# Altium PCB psu.PcbDoc (part 2 of 2)
Units mm, origin at the board's own origin, x right, y up, seen from the top; angles counter-clockwise.
Board outline 95.25 x 58.25 mm, 4 copper layers (Top Layer, Ground, +3.3V, Bottom Layer), stack 1.571 mm thick; 190 components, 100 nets, 584 pads, 624 vias.
Unrouted connection lines stored in the file: 1.
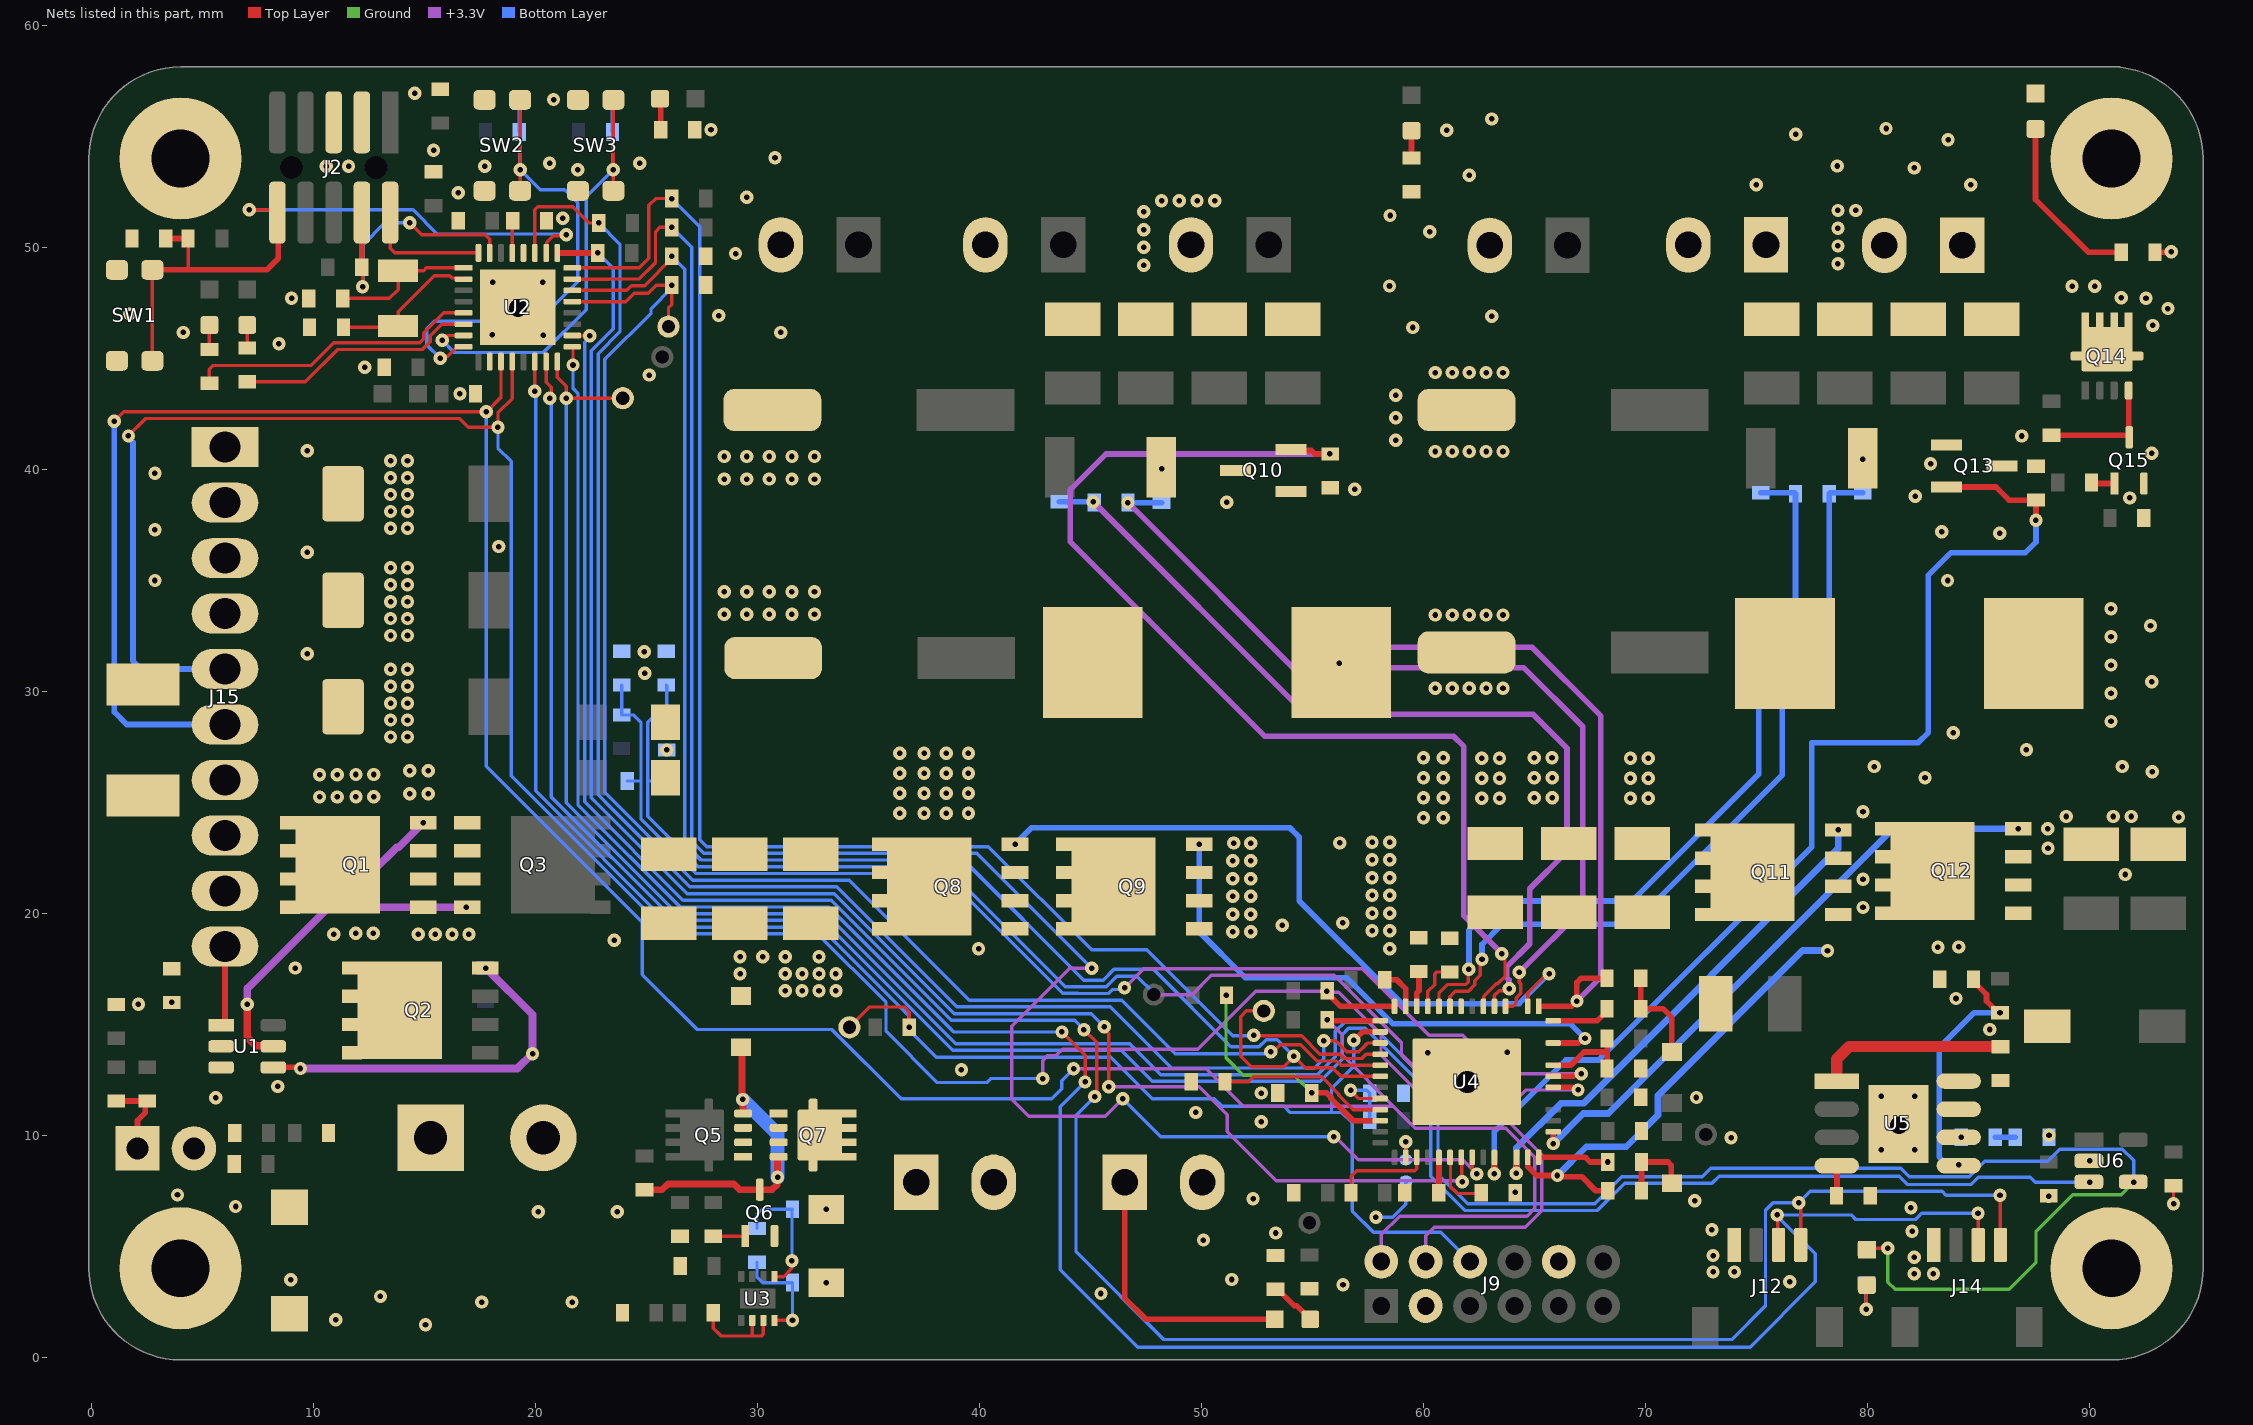
[diagram p4: the nets of this part, all layers, seen from the top]

## Via types
v1: diameter 0.6, hole 0.25, Top Layer to Bottom Layer, tented both sides, 614 vias
v2: diameter 0.6, hole 0.25, Top Layer to Bottom Layer, 7 vias
v3: diameter 1.5, hole 0.8, Top Layer to Bottom Layer, tented both sides, 1 vias
v4: diameter 1.6, hole 1, Top Layer to Bottom Layer, tented both sides, 1 vias
v5: diameter 1.2, hole 0.8, Top Layer to Bottom Layer, tented both sides, 1 vias

## Nets (pads, with @x,y where several pads share a name; then routed paths per layer and width w, separated by ;. In a path a pad name is that pad's centre, name@x,y a point inside that pad or via, vN(x,y) a via of type N, cw(c..) or ccw(c..) an arc to the next point about the centre after c; other vN are vias at no path point) (continued)
GND: C1.1 C2.1 C3.1 C4.1 C5.1 C6.1 C7.1 C8.2 C9.2 C10.2 C11.1 C12.1 C13.1 C14.1 C15.1 C16.1 C18.1 C19.2 C20.1 C21.2 C22.1 C23.1 C24.2 C25.2 C26.1 C27.2 C28.2 C29.2 C30.2 C31.2 C32.2 C33.2 C34.2 C35.2 C36.2 C37.2 C38.2 C39.1 C40.2 C41.1 C42.2 C43.2 C46.2 C47.1 C48.2 C49.2 C50.2 C51.2 C52.2 C54.2 C55.1 C56.2 C57.2 C58.1 C59.1 C62.1 C63.1 D3.2 D5.1 J1.2 J2.3 J2.5 J3.2 J4.2 J5.2 J6.2 J7.2 J8.2 J9.3 J9.10 J10.2 J11.2 J12.1 J13.2 J14.1 J15.1 J15.2 J15.3 J15.4 Q6.2 Q9.1 Q9.2 Q9.3 Q10.1 Q10.3 Q12.1 Q12.2 Q12.3 Q13.1 Q13.3 Q15.2 R5.1 R15.1 R17.1 R18.1 R21.1 R27.1 R31.1 R33.1 R39.1 R44.1 R45.1 R49.1 R50.1 R61.2 R64.1 S1.1 S2.1 S3.1 S4.1 SB1.2 SW1.1 SW2.1 SW3.1 U1.2 U1.3 U2.10 U2.28 U2.33 U4.8 U4.53 U5.7 U5.9 U6.2 | length 8.8
  Top Layer w0.152: C16.1@20.487,51.2 C16.1@20.597,51.309 ; v1(64.135,7.433) 64.135,7.402 C40.2@64.137,7.4 ; v1(88.18,7.25) C55.1@88.18,7.263 ; v1(93.8,6.9) C58.1@93.8,7.713
  Top Layer w0.254: C3.1@1.756,50.344 C3.1@1.813,50.4 ; v1@2.087,15.887 v1(2.1,15.9) ; C5.1@6.413,8.7 C5.1@6.425,8.713 ; R5.1@6.425,10.087 R5.1@6.438,10.1 ; C6.1@9.776,47.7 C6.1@9.794,47.682 ; C7.1@9.794,46.418 C7.1@9.813,46.4 ; C14.1@17.179,43.409 C14.1@17.187,43.4 ; R15.1@27.162,55.2 R15.1@27.162,55.3 ; C24.2@29.42,42.672 C24.2@30.67,42.672 ; R33.1@53.432,11.894 R33.1@53.438,11.9 ; v1@56.837,39.163 v1(56.9,39.1) ; J11.2@71.938,50.114 J11.2@71.938,50.364 ; U5.9@81.4,10.5 U5.9@82.066,11.166 ; S3.1@90.932,54.102 S3.1@91.877,53.157 ; R49.1@92.429,37.767 R49.1@92.461,37.799 ; R50.1@92.964,49.884 R50.1@92.964,49.784 93.584,49.784 93.6,49.8 v1(93.7,49.8)
  Bottom Layer w0.152: C62.1@21.852,56.66 C62.1@21.913,56.6 ; v1(57.861,6.299) 58.623,6.299 59.207,6.883 SB1.2@59.207,7.925
  other v1: 15.036,1.461 10.998,1.676 17.576,2.477 21.64,2.477 13.004,2.731 45.468,2.864 56.377,3.261 76.507,3.397 8.966,3.48 51.358,3.493 82.118,3.759 82.982,3.759 73.05,3.835 74.016,3.835 82.118,4.496 73.05,4.572 50.088,5.271 53.34,5.588 82.017,5.673 73,5.74 20.116,6.541 23.672,6.541 81.968,6.724 6.477,6.782 72.227,7.046 52.325,7.125 3.86,7.303 90.018,8.839 80.63,9.34 82.13,9.34 73.863,9.881 88.187,9.987 52.7,10.6 49.738,11.02 5.588,11.684 72.303,11.694 80.63,11.74 82.13,11.74 52.7,11.894 8.382,12.192 39.183,12.943 60.198,13.716 63.768,13.726 85.522,14.757 3.607,15.977 83.998,16.154 31.242,16.51 32.004,16.51 32.766,16.51 33.528,16.51 29.21,17.272 31.242,17.272 32.004,17.272 32.766,17.272 33.528,17.272 29.21,18.034 30.226,18.034 31.242,18.034 32.766,18.034 39.954,18.39 58.486,18.401 23.536,18.785 51.414,19.156 52.214,19.156 57.686,19.201 58.486,19.201 53.645,19.456 56.363,19.558 51.414,19.956 52.214,19.956 57.686,20.001 58.486,20.001 51.414,20.756 52.214,20.756 57.686,20.801 58.486,20.801 51.414,21.556 52.214,21.556 57.686,21.601 58.486,21.601 91.618,21.742 51.414,22.356 52.214,22.356 57.686,22.401 58.486,22.401 88.142,22.921 51.448,23.158 52.214,23.156 56.236,23.165 57.686,23.201 58.486,23.201 88.134,23.797 94.026,24.33 88.972,24.356 91.08,24.356 91.893,24.356 13.462,27.94 14.224,27.94 13.462,28.702 14.224,28.702 13.462,29.464 14.224,29.464 60.538,30.134 61.3,30.134 62.062,30.134 62.824,30.134 63.586,30.134 13.462,30.226 14.224,30.226 24.917,30.81 13.462,30.988 14.224,30.988 9.702,31.687 24.892,31.775 13.462,32.512 14.224,32.512 13.462,33.274 14.224,33.274 60.538,33.436 61.3,33.436 62.062,33.436 62.824,33.436 63.586,33.436 28.498,33.465 29.514,33.465 30.53,33.465 31.546,33.465 32.562,33.465 13.462,34.036 14.224,34.036 28.498,34.481 29.514,34.481 30.53,34.481 31.546,34.481 32.562,34.481 13.462,34.798 14.224,34.798 2.844,34.989 13.462,35.56 14.224,35.56 9.702,36.259 18.341,36.519 85.975,37.123 83.358,37.183 2.844,37.275 13.462,37.338 14.224,37.338 13.462,38.1 14.224,38.1 51.14,38.516 91.821,38.71 82.165,38.783 13.462,38.862 14.224,38.862 28.498,39.561 29.514,39.561 30.53,39.561 31.546,39.561 32.562,39.561 13.462,39.624 14.224,39.624 2.844,39.815 82.85,40.256 13.462,40.386 14.224,40.386 28.498,40.577 29.514,40.577 30.53,40.577 31.546,40.577 32.562,40.577 92.812,40.716 60.538,40.802 61.3,40.802 62.062,40.802 62.824,40.802 63.586,40.802 9.702,40.831 58.76,41.31 86.965,41.501 58.76,42.326 58.76,43.342 16.586,43.409 25.121,44.247 60.538,44.358 61.3,44.358 62.062,44.358 62.824,44.358 63.586,44.358 12.3,44.6 8.432,45.657 20.348,46.044 18.036,46.069 4.114,46.165 31.038,46.165 59.522,46.39 63.078,46.898 28.244,46.927 1.7,47 9,47.7 58.471,48.26 18.062,48.431 20.322,48.431 47.4,49.2 78.678,49.263 29.006,49.721 47.4,50 78.678,50.063 60.284,50.708 47.4,50.8 78.678,50.863 21.227,51.309 58.496,51.435 47.4,51.6 78.678,51.663 79.478,51.663 48.2,52.1 49,52.1 49.8,52.1 50.6,52.1 29.514,52.261 16.506,52.46 62.062,53.248 21.9,53.5 10.568,53.651 11.568,53.651 17.706,53.66 20.624,53.785 24.688,53.785 30.784,54.039 15.4,54.382 27.9,55.3 61.046,55.28 63.078,55.788 20.806,56.66 14.554,56.947
  other v3: 19.202,47.269
  other v4: 61.976,12.395
  other v5: 81.43,10.44
I2C_PW_EN: D11.1 TP8.1 U2.16 U6.4 | length 124.6
  Top Layer w0.15: v1(21.379,43.2) 21.382,43.203 23.924,43.203 TP8.1@23.927,43.205 ; D11.1@79.985,4.839 80.048,4.902 v2(80.924,4.902)
  Top Layer w0.152: U2.16@20.978,44.851 20.978,44.144 21.379,43.743 v1(21.379,43.2)
  Ground w0.15: v2(80.924,4.902) 80.924,3.378 81.255,3.048 86.385,3.048 87.605,4.267 87.605,5.664 89.256,7.315 91.44,7.315 v1(91.999,7.874)
  Bottom Layer w0.152: v1(21.379,43.2) 21.379,24.983 26.387,19.976 33.07,19.976 38.925,14.121 46.763,14.121 48.161,12.723 54.613,12.723 54.619,12.729 55.227,12.729 56.035,13.536 56.035,14.675 56.468,15.108 57.51,15.108 60.655,11.963 60.655,8.244 61.993,6.906 67.718,6.906 68.94,8.129 72.568,8.129 72.949,8.509 81.509,8.509 81.889,8.129 84.601,8.129 85.286,8.814 88.121,8.814 88.673,9.365 91.498,9.365 91.999,8.865 v1(91.999,7.874)
I2C_PW_FAULT: U2.15 U6.3 | length 102.6
  Top Layer w0.152: U2.15@20.47,44.851 20.47,43.93 20.7,43.7 20.7,43.271 v1(20.629,43.2)
  Bottom Layer w0.152: v1(20.629,43.2) 20.7,43.129 20.7,25.235 26.261,19.674 32.945,19.674 38.8,13.819 46.379,13.819 47.777,12.421 54.738,12.421 54.744,12.426 55.352,12.426 56.337,13.411 56.337,14.519 56.624,14.806 57.385,14.806 60.325,11.866 60.325,8.147 61.868,6.604 67.843,6.604 69.066,7.826 73.003,7.826 73.33,8.153 81.437,8.153 81.818,7.772 84.672,7.772 85.002,8.103 87.335,8.103 87.564,7.874 v1(90.018,7.874)
nALERT: J9.6 R25.1 TP2.1 U2.14 U4.16 | length 81.8
  Top Layer w0.15: TP2.1@34.138,14.859 35.052,15.773 36.601,15.773 36.83,15.545 v1(36.83,14.859)
  Top Layer w0.152: v1(19.952,43.523) 19.962,43.532 U2.14@19.962,44.851
  Top Layer w0.254: v1(56.863,14.28) 56.888,14.28 57.257,14.649 U4.16@58.054,14.649
  Bottom Layer w0.15: 55.855,11.016 55.855,12.083 56.863,13.091 v1(56.863,14.28)
  Bottom Layer w0.152: v1(19.952,43.523) 20,43.475 20,25.507 26.136,19.371 32.82,19.371 36.804,15.388 36.804,14.764 36.988,14.58 36.988,14.574 38.046,13.516 45.92,13.516 47.79,11.646 50.584,11.646 50.927,11.303 53.721,11.303 54.008,11.016 55.855,11.016 56.325,11.016 56.794,10.546 56.794,6.579 57.752,5.621 60.779,5.621 J9.6@62.1,4.3
NetC6_2: C6.2 U2.1 X1.2 | length 6.4
  Top Layer w0.152: C6.2@11.3,47.7 13.4,47.7 13.8,48.1 13.8,48.75 X1.2@13.889,48.839 ; X1.2@13.8,48.95 14.95,48.95 15.078,49.078 U2.1@16.751,49.078
NetC7_2: C7.2 U2.2 X1.1 | length 7.1
  Top Layer w0.152: C7.2@11.337,46.4 13.65,46.4 13.8,46.25 13.8,47.1 15.426,48.726 16.118,48.726 16.223,48.621 16.7,48.621 U2.2@16.751,48.57
NetC16_2: C16.2 U2.29 | length 1.5
  Top Layer w0.152: U2.29@18.946,49.749 18.946,51.183 C16.2@18.963,51.2
NetC17_1: C17.1 C19.1 R13.1 U4.47 | length 56.8
  Top Layer w0.254: U4.47@65.847,12.649 66.751,12.649 66.805,12.703 67.048,12.703 v1(67.114,12.769)
  +3.3V w0.152: v1(46.533,16.637) 47.396,17.501 57.256,17.501 60.251,14.505 61.77,14.505 63.507,12.769 v1(67.114,12.769)
  Bottom Layer w0.15: C19.1@23.876,30.277 R13.1@23.876,28.931 23.88,28.927 24.413,28.927 24.743,28.597 24.743,25.984 ; C17.1@24.13,25.959 24.718,25.959 24.743,25.984 ; v1(46.533,16.637) 46.458,16.562 46.008,16.562 45.827,16.382 44.432,16.382 44.429,16.384 43.742,16.384 38.337,21.789 27.202,21.789 26.115,22.876 24.743,24.248 24.743,25.984
  Bottom Layer w0.152: v1@67.031,12.769 v1(67.114,12.769)
NetC17_2: C17.2 C21.1 R16.1 U4.46 | length 57.6
  Top Layer w0.152: v1@66.73,12.149 66.845,12.034 v1(66.966,12.034)
  Top Layer w0.254: U4.46@65.847,12.149 v1@66.73,12.149
  +3.3V w0.152: 47.854,16.332 49.572,16.332 50.436,17.196 55.974,17.196 59.013,14.157 59.013,13.631 61.493,11.151 63.754,11.151 64.637,12.034 v1(66.966,12.034)
  Bottom Layer w0.15: 25.044,25.984 25.07,25.959 C17.2@25.654,25.959 ; C21.1@25.883,30.277 25.908,30.251 R16.1@25.908,28.88
  Bottom Layer w0.152: R16.1@25.908,28.88 25.324,28.88 25.044,28.6 25.044,25.984 25.044,24.373 26.416,23.001 27.324,22.093 38.459,22.093 43.866,16.685 44.558,16.685 44.561,16.683 45.702,16.683 46.183,17.163 47.084,17.163 47.884,16.363
NetC20_2: C20.2 C23.2 C26.2 C39.2 C41.2 C47.2 Q8.5 Q8.6 Q8.7 Q8.8 Q11.5 Q11.6 Q11.7 Q11.8 R9.2 R10.2 R16.2 | length 0.7
  Top Layer w0.254: R10.2@25.851,28.6 R10.2@25.908,28.543 ; C26.2@31.47,22.886 C26.2@31.496,22.912 ; Q8.8@37.224,23.241 Q8.8@37.49,23.241 ; Q11.5@72.53,23.749 Q11.5@72.796,23.749
  other v1: 60,24.3 60.9,24.3 36.4,24.5 37.5,24.5 38.5,24.5 39.5,24.5 62.629,25.178 63.429,25.178 69.329,25.178 70.129,25.178 60,25.2 60.9,25.2 65,25.2 65.8,25.2 36.4,25.4 37.5,25.4 38.5,25.4 39.5,25.4 62.629,26.078 63.429,26.078 69.329,26.078 70.129,26.078 60,26.1 60.9,26.1 65,26.1 65.8,26.1 36.4,26.3 37.5,26.3 38.5,26.3 39.5,26.3 62.629,26.978 63.429,26.978 69.329,26.978 70.129,26.978 60,27 60.9,27 65,27 65.793,27 36.4,27.2 37.5,27.2 38.5,27.2 39.5,27.2 25.908,27.356
NetC33_1: C33.1 Q10.2 U4.6 | length 51.4
  Top Layer w0.152: U4.6@62.7,15.8 62.712,15.812 62.712,16.247 63.282,16.818 63.338,16.818 63.678,17.157 63.678,17.907 63.529,18.057 v1(63.529,18.178)
  Top Layer w0.254: Q10.2@53.7,40.9 53.753,40.847 54.953,40.847 55.109,40.691 C33.1@55.797,40.691 ; v1(55.778,40.691) 55.782,40.687 C33.1@55.8,40.687
  +3.3V w0.254: v1(55.778,40.691) 45.695,40.691 44.094,39.091 44.094,36.728 52.857,27.965 61.366,27.965 61.824,27.508 61.824,19.883 v1(63.529,18.178)
NetC34_1: C34.1 U4.31 | length 1.7
  Top Layer w0.254: C34.1@60.7,7.3 U4.31@60.7,8.998
NetC35_1: C35.1 U4.12 | length 1.3
  Top Layer w0.254: U4.12@59.7,15.8 59.7,16.4 59.8,16.5 C35.1@59.8,17.1
NetC38_1: C38.1 U4.11 | length 2.3
  Top Layer w0.152: U4.11@60.2,15.8 60.2,16.48 60.503,16.783 60.503,17.259 60.592,17.348 C38.1@61.189,17.348
NetC40_1: C40.1 U4.32 | length 2.9
  Top Layer w0.152: U4.32@61.2,8.998 61.221,8.977 61.221,7.679 61.529,7.37 62.583,7.37 C40.1@62.613,7.4
NetC43_1: C43.1 R40.1 U4.48 | length 4
  Top Layer w0.254: U4.48@65.847,13.149 66.641,13.149 67.234,13.741 68.275,13.741 ; C43.1@68.275,13.005 68.275,13.523 68.275,13.741 ; R40.1@68.275,14.351 68.275,13.741
NetC44_1: C44.1 D9.1 R41.2 | length 4.5
  Top Layer w0.254: C44.1@69.799,17.069 R41.2@69.799,15.697 70.79,15.697 71.196,15.291 D9.1@71.196,13.748
NetC44_2: C44.2 L1.2 Q8.1 Q8.2 Q8.3 Q9.5 Q9.6 Q9.7 Q9.8 U4.1 | length 30.7
  Top Layer w0.254: U4.1@65.2,15.8 66.676,15.8 v1(66.917,16.041) 66.917,16.879 67.107,17.069 C44.2@68.275,17.069
  +3.3V w0.254: v1(56.21,31.267) 56.921,31.979 64.897,31.979 67.996,28.88 67.996,17.12 v1(66.917,16.041)
NetC45_1: C45.1 D8.1 R42.2 | length 3.5
  Top Layer w0.254: C45.1@69.825,7.493 R42.2@69.825,8.788 71.018,8.788 71.171,8.636 71.171,7.86 D8.1@71.196,7.835
NetC45_2: C45.2 L2.2 Q11.1 Q11.2 Q11.3 Q12.5 Q12.6 Q12.7 Q12.8 U4.39 | length 22.1
  Top Layer w0.254: U4.39@64.7,8.998 64.7,8.582 65.103,8.179 v1(66.04,8.179) 66.091,8.128 67.132,8.128 67.767,7.493 C45.2@68.301,7.493 ; Q12.8@81.14,19.939 81.267,20.066 Q12.8@81.534,20.066 ; Q12.8@81.267,23.876 Q12.8@81.534,23.876
  Bottom Layer w0.305: v1(66.04,8.179) 67.335,9.474 69.139,9.474 70.564,10.899 70.564,11.788 77.089,18.313 v1(78.207,18.313)
  other v1: 83.185,18.466 84.124,18.479 79.806,20.257 79.806,21.527 79.806,24.575 82.6,26.099 92.837,26.365 80.314,26.607 91.49,26.607 87.172,27.369 83.87,28.131 90.982,28.639 90.982,29.909 92.812,30.429 90.982,31.179 90.982,32.449 92.76,32.957 90.982,33.719 83.616,34.989
NetC53_1: C53.1 U5.1 | length 8.6
  Top Layer w0.508: U5.1@78.624,12.436 78.624,13.424 79.187,13.987 C53.1@86,13.987
NetC53_2: C53.2 L3.2 U5.8
NetC54_1: C54.1 Q13.2 U4.36 | length 50.8
  Top Layer w0.152: v1(63.195,8.255) 63.195,8.306 v1@63.2,8.311
  Top Layer w0.254: v1@63.2,8.311 U4.36@63.2,8.998 ; Q13.2@83.9,39.2 85.8,39.2 86.387,38.613 C54.1@87.6,38.613 v1(87.6,37.7)
  Bottom Layer w0.254: v1(63.195,8.255) 63.195,10.16 66.421,13.386 67.894,13.386 77.495,22.987 77.495,27.68 82.29,27.68 82.753,28.143 82.753,35.23 83.769,36.246 87.122,36.246 87.6,36.724 v1(87.6,37.7)
NetC59_2: C59.2 R51.1 | length 0.9
  Bottom Layer w0.254: R51.1@85.762,9.9 C59.2@86.663,9.9
NetC60_1: C60.1 R52.1 U4.9 | length 35.5
  Top Layer w0.152: U4.9@61.2,15.8 61.189,15.811 61.189,16.231 61.443,16.485 62.032,16.485 62.318,16.771 62.318,16.95 62.567,17.199 62.567,17.848 v1(62.64,17.92)
  Bottom Layer w0.254: v1(62.64,17.92) 62.64,18.596 63.551,19.507 69.444,19.507 76.175,26.238 76.175,29.942 78.287,32.055 C60.1@78.287,38.9 78.325,38.938 R52.1@79.8,38.938
NetC60_2: C60.2 R53.1 U4.10 | length 35.3
  Top Layer w0.152: U4.10@60.7,15.8 60.7,16.39 61.097,16.787 61.907,16.787 62.016,16.896 62.016,17.448 v1(62.039,17.471)
  Bottom Layer w0.254: v1(62.039,17.471) 62.052,17.485 62.052,19.235 63.366,20.549 69.393,20.549 75.108,26.264 75.108,30.044 76.763,31.699 C60.2@76.763,38.9 76.725,38.938 R53.1@75.2,38.938
NetC61_1: C61.1 R55.1 U4.4 | length 41.2
  Top Layer w0.152: U4.4@63.7,15.8 64.035,15.8 64.186,15.951 64.186,16.177 64.325,16.316 64.387,16.378 64.387,16.814 64.325,16.876 v1(64.325,17.342)
  +3.3V w0.254: v1(46.687,38.5) 55.012,30.175 57.201,30.175 58.09,31.064 64.516,31.064 67.183,28.397 67.183,20.2 v1(64.325,17.342)
  Bottom Layer w0.254: v1(46.687,38.5) R55.1@48.2,38.5
NetC61_2: C61.2 R56.1 U4.5 | length 40.8
  Top Layer w0.152: U4.5@63.2,15.8 63.2,16.291 63.42,16.51 63.775,16.51 v1(63.861,16.596)
  +3.3V w0.254: v1(45.125,38.538) 54.707,28.956 64.948,28.956 66.472,27.432 66.472,22.784 64.79,21.102 64.79,18.623 63.748,17.581 63.748,17.103 63.856,16.994 63.856,16.6 v1(63.861,16.596)
  Bottom Layer w0.254: R56.1@43.6,38.538 v1(45.125,38.538) C61.2@45.163,38.5
NetC64_1: C64.1 R62.1 U3.1 | length 5.9
  Top Layer w0.15: U3.1@30.759,3.621 31.169,3.621 31.547,3.998 v2(31.547,4.343)
  Bottom Layer w0.15: C64.1@29.972,5.791 29.972,6.426 30.201,6.655 R62.1@31.572,6.655 31.547,6.629 v2(31.547,4.343)
NetC64_2: C64.2 R63.1 U3.8 | length 4.9
  Top Layer w0.15: U3.8@30.759,1.651 v2(31.572,1.651)
  Bottom Layer w0.15: C64.2@29.972,4.267 29.972,3.607 30.226,3.353 R63.1@31.572,3.353 v2(31.572,1.651)
NetD1_2: D1.2 R4.2 | length 1.1
  Top Layer w0.152: R4.2@5.3,45.4 D1.2@5.3,46.5
NetD2_2: D2.2 R6.2 | length 1
  Top Layer w0.152: R6.2@7,45.462 D2.2@7,46.5
NetD4_2: D4.2 R15.2 | length 1.5
  Top Layer w0.254: R15.2@25.638,55.3 25.638,56.662 D4.2@25.6,56.7 D4.2@25.638,56.738
NetD5_2: D5.2 Q5.4 Q6.3 Q7.4 R14.2 | length 14.8
  Top Layer w0.152: Q7.4@30.9,8.974 Q7.4@30.951,9.025
  Top Layer w0.305: R14.2@24.9,7.538 25.699,7.538 25.959,7.798 28.931,7.798 29.187,7.541 Q6.3@30.1,7.541 30.656,7.541 30.886,7.772 30.886,8.086 v1(30.9,8.1) Q7.4@30.9,8.974 ; D5.2@29.261,13.963 29.299,13.925 29.299,11.646 v1(29.337,11.608) 29.343,11.602 29.343,10.981 Q5.4@29.349,10.975
  Bottom Layer w0.635: v1(29.337,11.608) 30.9,10.045 v1(30.9,8.1)
NetD6_1: D6.1 J5.1 J7.1 R24.1 R63.2 | length 12.7
  Top Layer w0.254: J7.1@46.538,8.204 46.538,2.662 47.5,1.7 D6.1@53.3,1.7
  other v2: 33.1,3.349
NetD6_2: D6.2 R31.2 | length 2.1
  Top Layer w0.254: R31.2@53.34,3.048 53.44,3.048 54.173,2.315 54.285,2.315 D6.2@54.9,1.7
NetD7_2: D7.2 R39.2 | length 1.3
  Top Layer w0.152: D7.2@59.461,55.258 D7.2@59.499,55.296
  Top Layer w0.254: R39.2@59.461,54.026 D7.2@59.461,55.258
NetD10_1: D10.1 J11.1 J13.1 Q14.5 Q14.6 Q14.7 Q14.8 | length 1.5
  Top Layer w0.254: J11.1@75.438,50.114 75.438,50.364 J11.1@76.311,51.237
  other v1: 92.862,46.482 93.548,47.244 92.558,47.701 91.44,47.727 89.228,48.243 90.244,48.243 75.004,52.815 84.656,52.815 82.116,53.577 78.646,53.666 83.64,54.847 76.782,55.101 80.846,55.355
NetD10_2: D10.2 R50.2 | length 8
  Top Layer w0.254: D10.2@87.579,55.334 87.579,52.159 89.954,49.784 R50.2@91.44,49.784
NetD11_2: D11.2 R64.2 | length 2.3
  Top Layer w0.15: v2(79.959,2.159) 79.959,3.213 D11.2@79.985,3.238
  Bottom Layer w0.15: v2(79.959,2.159) R64.2@79.959,3.327
NetJ1_1: J1.1 R1.2 R2.1 | length 3.7
  Top Layer w0.254: R1.2@1.1,11.538 R2.1@2.5,11.538 2.4,11.438 2.4,11 2.06,10.66 J1.1@2.06,9.4
NetL1_1: L1.1 R26.2 R55.2 | length 0.2
  Top Layer w0.254: L1.1@45.1,31.05 L1.1@45.1,31.3
  other v1: 48.2,40.024
NetL2_1: L2.1 R43.2 R52.2
  other v1: 79.8,40.462
NetQ1_1: Q1.1 Q1.2 Q1.3 Q3.1 Q3.2 Q3.3
  other v1: 14.707,19.05 15.469,19.05 16.231,19.05 16.993,19.05 14.326,25.375 15.164,25.375 14.326,26.416 15.164,26.416
NetQ1_4: Q1.4 Q3.4 U1.5 | length 19.8
  Top Layer w0.254: v1(16.866,20.269) Q3.4@16.914,20.269
  Top Layer w0.35: v1(7,15.9) 7,14.412 7.388,14.025 8.15,14.025 U1.5@8.175,14
  +3.3V w0.35: v1(7,15.9) 7,16.6 10.669,20.269 12.687,20.269 ; v1(14.938,24.079) 13.828,22.969 13.749,22.969 12.687,21.908 12.687,20.269 ; v1(16.866,20.269) 12.687,20.269
NetQ2_4: Q2.4 R59.2 U1.4 | length 16.7
  Top Layer w0.254: U1.4@8.175,13.05 9.35,13.05 v1(9.4,13) ; Q2.4@17.732,17.526 v1(17.755,17.526)
  +3.3V w0.35: v1(9.4,13) 19.176,13 19.842,13.665 v1(19.86,13.665) 19.86,15.421 v1(17.755,17.526)
NetQ5_1: Q5.1 Q5.2 Q5.3 Q7.1 Q7.2 Q7.3
NetQ6_1: Q6.1 R23.2 | length 1.4
  Top Layer w0.152: R23.2@28,5.438 29.419,5.438 Q6.1@29.44,5.459
NetQ7_5: Q7.5 Q7.6 Q7.7 Q7.8 R24.2 R62.2 | length 0.1
  Bottom Layer w0.15: R62.2@33.02,6.68 33.071,6.68 v2(33.1,6.651)
NetQ8_4: Q8.4 U4.2 | length 32
  Top Layer w0.152: Q8.4@41.407,23.105 v1(41.6,23.105) ; U4.2@64.7,15.8 64.7,16.389 65.587,17.275 v1(65.66,17.275)
  Bottom Layer w0.254: v1(41.6,23.105) 42.346,23.851 53.975,23.851 54.254,23.571 54.258,23.571 54.407,23.422 54.407,20.549 59.03,15.926 64.31,15.926 v1(65.66,17.275)
NetQ9_4: Q9.4 U4.50 | length 25
  Top Layer w0.152: Q9.4@49.707,23.105 v1(49.9,23.105)
  Top Layer w0.254: U4.50@65.847,14.149 66.982,14.149 67.188,14.355 v1(67.281,14.355)
  Bottom Layer w0.254: v1(49.9,23.105) 49.9,19.163 51.968,17.094 56.54,17.094 58.623,15.011 66.625,15.011 v1(67.281,14.355)
NetQ11_4: Q11.4 U4.38 | length 23.4
  Top Layer w0.254: v1(64.186,8.28) 64.186,8.283 64.198,8.295 64.198,8.998 U4.38@64.2,8.998 ; Q11.4@78.5,23.749 78.652,23.826 78.845,23.922 v1(78.692,23.749)
  Bottom Layer w0.305: v1(64.186,8.28) 64.184,8.282 64.184,9.424 66.191,11.431 67.216,11.431 78.69,22.905 78.69,23.747 v1(78.692,23.749)
NetQ12_4: Q12.4 U4.42 | length 27.6
  Top Layer w0.152: U4.42@65.844,10.146 U4.42@65.847,10.149
  Top Layer w0.254: v1(65.844,9.62) U4.42@65.844,10.146 ; Q12.4@86.607,23.805 v1(86.8,23.805)
  Bottom Layer w0.152: v1(65.844,9.62) v1@65.853,9.62
  Bottom Layer w0.305: v1@65.853,9.62 65.853,9.629 67.2,10.976 68.33,10.976 81.158,23.805 v1(86.8,23.805)
NetQ14_4: Q14.4 Q15.3 R47.1 | length 5.9
  Top Layer w0.254: R47.1@88.027,41.365 88.2,41.538 R47.1@88.3,41.538 91.749,41.538 Q15.3@91.775,41.512 ; Q14.4@91.775,43.551 Q15.3@91.775,41.512 ; Q15.3@91.8,41.441 91.775,41.466 Q15.3@91.775,41.512
NetQ15_1: Q15.1 R48.2 | length 1.1
  Top Layer w0.254: R48.2@90.1,39.4 90.141,39.359 Q15.1@91.14,39.359
NetR4_1: R4.1 U2.5 | length 13.3
  Top Layer w0.152: R4.1@5.3,43.876 5.3,44.5 5.479,44.679 9.881,44.679 10.902,45.7 14.77,45.7 14.949,45.879 14.949,46.143 15.852,47.046 U2.5@16.751,47.046
NetR6_1: R6.1 U2.6 | length 11
  Top Layer w0.152: R6.1@7,43.938 9.623,43.938 11.082,45.398 14.895,45.398 15.252,45.754 15.252,46.018 15.772,46.538 U2.6@16.751,46.538
NetR11_1: R11.1 U2.25 U4.33 | length 76.5
  Top Layer w0.152: v1(45.616,14.885) 45.616,14.763 45.822,14.558 v1(45.822,12.174) ; U4.33@61.7,8.998 61.724,8.974 61.724,7.92 v1(61.747,7.897)
  Top Layer w0.254: U2.25@20.978,49.749 v1(22.8,49.749)
  +3.3V w0.152: v1(45.822,12.174) 49.903,12.174 51.156,10.922 51.156,10.16 53.365,7.95 61.694,7.95 v1(61.747,7.897)
  Bottom Layer w0.152: v1(22.8,49.749) 23.495,49.054 23.495,46.324 22.51,45.34 22.51,25.196 26.823,20.883 33.446,20.883 38.854,15.476 45.025,15.476 v1(45.616,14.885)
NetR12_1: R12.1 U2.27 U4.17 | length 73.5
  Top Layer w0.152: 19.961,50.706 19.961,51.694 20.103,51.835 21.665,51.835 22.4,51.1 v1(22.838,51.1) ; U2.27@19.962,49.749 19.962,50.706 ; v1(55.509,14.246) 56.055,14.246 56.548,13.754 57.09,13.754 57.39,14.053 57.39,14.06 57.479,14.149 U4.17@58.054,14.149
  Bottom Layer w0.152: v1(22.838,51.1) 23.797,50.141 23.797,46.199 22.813,45.215 22.813,25.326 23.393,24.746 23.393,24.741 26.948,21.186 33.572,21.186 38.979,15.778 45.893,15.778 48.646,13.025 54.488,13.025 54.494,13.031 55.102,13.031 55.509,13.438 v1(55.509,14.246)
NetR17_2: R17.2 TP1.1 U2.21 U4.19 | length 71.2
  Top Layer w0.15: TP1.1@25.984,46.431 25.984,47.269 26.138,47.423 v1(26.138,48.3)
  Top Layer w0.152: U2.21@21.649,47.554 24.059,47.554 24.435,47.93 25.07,47.93 25.44,48.3 v1(26.138,48.3) ; v1(53.119,13.759) 53.229,13.759 53.548,14.078 54.481,14.078 55.221,13.337 56.109,13.337 56.297,13.149 U4.19@58.054,13.149
  Bottom Layer w0.15: 25.959,22.606 23.114,25.451 23.114,44.952 25.2,47.038 25.2,47.24 26.138,48.178 v1(26.138,48.3)
  Bottom Layer w0.152: 25.959,22.606 27.077,21.488 34.124,21.488 39.532,16.081 46.403,16.081 48.81,13.674 53.033,13.674 v1(53.119,13.759)
NetR18_2: R18.2 TP6.1 U2.22 U4.20 | length 73.9
  Top Layer w0.15: TP6.1@52.807,15.596 52.019,15.596 51.765,15.342 51.765,13.564 52.248,13.081 53.696,13.081 54.153,13.538 v1(54.153,13.552)
  Top Layer w0.152: U2.22@21.649,48.062 24.107,48.062 24.315,48.27 24.908,48.27 R18.2@26.138,49.5 ; v1(54.153,13.552) 54.669,13.035 55.901,13.035 56.286,12.649 56.439,12.649 U4.20@58.054,12.649
  Bottom Layer w0.152: v1(26.138,49.6) 26.719,49.019 26.719,23.126 27.449,22.395 39.276,22.395 44.686,16.985 45.577,16.985 46.057,17.466 47.838,17.466 51.327,13.976 52.592,13.976 52.916,14.3 53.404,14.3 v1(54.153,13.552)
NetR19_1: R19.1 U2.23 U4.34 | length 86.3
  Top Layer w0.152: U2.23@21.649,48.57 23.314,48.57 23.317,48.572 24.654,48.572 25.4,49.318 25.4,50.711 25.589,50.9 v1(26.138,50.9) ; v1@62.2,8.437 U4.34@62.2,8.998
  +3.3V w0.152: v1(45.06,17.512) 45.045,17.526 44.069,17.526 41.453,14.91 41.453,11.608 42.215,10.846 45.669,10.846 v1(46.457,11.634) ; v1(55.956,9.931) 56.032,9.931 57.074,8.89 61.769,8.89 v1(62.408,8.251)
  Bottom Layer w0.152: v1(26.138,50.9) 27.031,50.007 27.031,23.241 27.575,22.698 39.88,22.698 45.06,17.518 v1(45.06,17.512) ; v1(46.457,11.634) 48.16,9.931 v1(55.956,9.931)
NetR20_1: R20.1 U2.24 U4.18 | length 71.4
  Top Layer w0.152: U2.24@21.649,49.078 24.673,49.078 25.098,49.502 25.098,51.898 25.4,52.2 v1(26.138,52.2) ; v1(52.349,14.502) 52.374,14.478 54.508,14.478 55.338,13.649 56.225,13.649 56.422,13.451 57.215,13.451 57.413,13.649 U4.18@58.054,13.649
  Bottom Layer w0.152: v1(26.138,52.2) 27.4,50.938 27.4,23.3 27.7,23 40.398,23 45.047,18.351 47.528,18.351 51.401,14.478 52.325,14.478 v1(52.349,14.502)
NetR22_1: R22.1 U3.6 U3.7 | length 4.5
  Top Layer w0.152: R22.1@28,2 28,1.3 28.352,0.948 29.709,0.948 ; U3.6@29.759,1.651 29.759,0.998 29.709,0.948 ; U3.7@30.259,1.651 30.26,1.038 30.17,0.948 29.709,0.948
NetR27_2: R27.2 U4.23 | length 7.7
  Top Layer w0.152: R27.2@51.062,12.4 52.1,12.4 52.331,12.631 55.411,12.631 56.192,11.85 56.192,11.796 56.839,11.149 U4.23@58.054,11.149
NetR30_1: R30.1 R33.2 U4.24 | length 11
  Top Layer w0.254: v1(54.962,11.9) 55.643,11.9 55.839,11.704 55.839,11.65 56.84,10.649 U4.24@58.054,10.649
  Ground w0.152: v1(51.124,16.3) 51.105,16.281 51.105,13.487 51.892,12.7 54.162,12.7 v1(54.962,11.9)
NetR37_1: R37.1 U4.29 | length 4.4
  Top Layer w0.152: R37.1@56.738,7.4 56.738,8.152 56.987,8.401 59.611,8.401 59.7,8.491 U4.29@59.7,8.998
NetR38_1: R38.1 U4.13 | length 1.9
  Top Layer w0.254: R38.1@58.262,17 58.8,17 59.2,16.6 U4.13@59.2,15.8
NetR41_1: R41.1 U4.52 | length 2.7
  Top Layer w0.254: U4.52@65.847,15.149 67.827,15.149 68.275,15.597 R41.1@68.275,15.697
NetR42_1: R42.1 U4.40 | length 3.2
  Top Layer w0.254: U4.40@65.2,8.998 67.304,8.998 67.513,8.788 v1(68.301,8.788)
NetR44_2: R44.2 U5.4 | length 1.4
  Top Layer w0.254: U5.4@78.624,8.626 78.638,8.611 R44.2@78.638,7.264
NetR45_2: R45.2 R46.1 U5.5 | length 11.4
  Top Layer w0.254: R45.2@84.785,17.018 84.785,16.918 85.369,16.334 85.369,16.039 85.706,15.702 85.706,15.692 85.879,15.519 v1(85.979,15.519)
  Bottom Layer w0.254: v1(84.122,8.655) 83.598,8.655 83.236,9.017 83.236,13.936 84.819,15.519 v1(85.979,15.519)
NetR51_2: R51.2 U5.6
  other v1: 84.238,9.9
NetR60_2: R60.2 R61.1 U4.22 | length 3.6
  Top Layer w0.15: v2(56.718,12.014) 56.73,12.014 57.095,11.649 U4.22@58.054,11.649
  Bottom Layer w0.15: v2(56.718,12.014) 57.455,12.014 R61.1@57.582,11.887 R60.2@57.582,10.668
NetSB1_1: SB1.1 U4.28 | length 1.5
  Top Layer w0.152: U4.28@59.2,8.998 v1(59.2,9.7)
  Bottom Layer w0.152: v1(59.2,9.7) 59.207,9.693 SB1.1@59.207,8.89
nRESET: C3.2 J2.10 R3.1 SW1.2 U2.26 | length 32.1
  Top Layer w0.15: SW1.2@2.73,44.889 SW1.2@2.73,48.989 ; 4.293,48.989 4.338,49.035 R3.1@4.338,50.4
  Top Layer w0.152: v1(7.1,51.7) 8.225,51.7 J2.10@8.36,51.565 ; U2.26@20.47,49.749 20.494,49.773 20.494,50.237 20.785,50.527 21.327,50.527 v1(21.374,50.574)
  Top Layer w0.254: SW1.2@2.73,48.989 4.293,48.989 7.889,48.989 8.4,49.5 8.4,51.525 J2.10@8.36,51.565 ; C3.2@3.337,50.4 R3.1@4.338,50.4
  Bottom Layer w0.152: v1(7.1,51.7) 14.475,51.7 15.575,50.6 21.348,50.6 v1(21.374,50.574)
PB1: C62.2 R57.1 SW3.2 U2.7 | length 22.6
  Top Layer w0.152: v1(15.789,45.811) 15.819,45.811 16.038,46.03 U2.7@16.751,46.03 ; SW3.2@23.5,52.55 SW3.2@23.5,56.65
  Bottom Layer w0.152: v1(15.789,45.811) 16.337,45.263 20.345,45.263 22.274,47.191 22.274,52.274 v1(23.5,53.5) 23.5,55.162 R57.1@23.462,55.2 23.437,55.225 C62.2@23.437,56.6
PB2: C63.2 R58.1 SW2.2 U2.8 | length 24.9
  Top Layer w0.152: v1(15.7,45) 15.786,45.086 16.038,45.086 16.475,45.522 U2.8@16.751,45.522 ; SW2.2@19.3,52.55 v1(19.3,53.5) SW2.2@19.3,56.65
  Bottom Layer w0.152: v1(15.7,45) 15.1,45.6 15.1,46.342 15.429,46.671 18.251,46.671 18.745,46.177 19.634,46.177 21.9,48.443 21.9,52 21.3,52.6 20.2,52.6 v1(19.3,53.5) 19.3,55.162 R58.1@19.262,55.2 19.262,56.575 C63.2@19.237,56.6
PSU_I2C.SCL: J9.4 J15.5 R36.1 U2.12 U4.14 | length 122.7
  Top Layer w0.15: 16.5,42.289 16.583,42.289 16.971,41.9 v1(18.3,41.9) 18.3,42.542 18.946,43.188 U2.12@18.946,44.851 ; v1(55.651,16.485) 55.651,16.489 R36.1@55.662,16.5
  Top Layer w0.152: v1(1.651,41.504) 2.436,42.289 16.5,42.289
  Top Layer w0.254: R36.1@55.762,16.3 56.262,15.8 U4.14@58.7,15.8
  +3.3V w0.15: v1(42.85,12.548) 42.85,13.36 43.078,13.589 43.465,13.589 43.745,13.868 49.835,13.868 52.451,16.485 v1(55.651,16.485) 55.695,16.441 56.177,16.441 58.09,14.529 58.09,13.589 61.065,10.614 63.828,10.614 65.325,9.116 65.325,6.581 64.586,5.842 60.477,5.842 60.1,5.465 J9.4@60.1,4.3
  Bottom Layer w0.15: v1(18.3,41.9) 18.3,40.958 18.898,40.361 18.898,26.184 26.011,19.07 32.695,19.07 35.789,15.977 35.789,14.681 38.1,12.37 40.325,12.37 40.503,12.548 v1(42.85,12.548)
  Bottom Layer w0.254: v1(1.651,41.504) 1.651,41.41 1.854,41.207 1.854,31.369 2.223,31 J15.5@6,31 J15.5@6.6,31
PSU_I2C.SDA: J9.2 J15.6 R35.1 U2.11 U4.15 | length 130
  Top Layer w0.152: v1(1.016,42.164) 1.443,42.591 v1(17.775,42.591) ; v1@17.8,42.6 18.438,43.238 U2.11@18.438,44.851
  Top Layer w0.254: R35.1@55.713,15.149 U4.15@58.054,15.149
  +3.3V w0.152: v1(44.235,12.99) 50.205,12.99 51.892,11.303 58.649,11.303 ; v1(55.662,15.2) 56.337,14.525 56.337,13.614 58.649,11.303 ; J9.2@58.1,4.3 58.1,5.522 58.928,6.35 64.668,6.35 65.024,6.706 65.024,8.992 63.703,10.312 59.639,10.312 58.649,11.303
  Bottom Layer w0.152: v1(17.775,42.591) 17.774,42.59 17.774,26.626 24.803,19.596 24.803,17.234 27.28,14.757 33.35,14.757 36.467,11.64 43.246,11.64 43.697,12.092 43.697,12.453 v1(44.235,12.99)
  Bottom Layer w0.254: v1(1.016,42.164) 1.016,29.058 1.574,28.5 J15.6@6,28.5 J15.6@6.6,28.5
QWIIC_I2C.SCL: J12.4 J14.4 U2.18 | length 112.1
  Top Layer w0.15: v1(76.91,6.95) 76.91,6.828 77,6.739 J12.4@77,5.05 ; v1(85.979,7.29) 85.989,7.279 85.989,5.061 J14.4@86,5.05
  Top Layer w0.152: U2.18@21.649,46.03 21.658,46.021 22.429,46.021 v1(22.438,46.012) ; v1(44.704,14.754) 45.281,14.177 45.281,12.177 45.279,12.176 45.279,11.823 v1(45.194,11.737)
  Bottom Layer w0.15: v1(76.91,6.95) 77.428,7.468 83.369,7.468 83.546,7.29 v1(85.979,7.29)
  Bottom Layer w0.152: v1(22.438,46.012) 22.438,45.955 22.208,45.725 22.208,25.01 26.637,20.581 33.321,20.581 38.728,15.173 44.284,15.173 v1(44.704,14.754) ; v1(45.194,11.737) 44.348,10.892 44.348,4.75 48.311,0.787 73.889,0.787 75.414,2.312 75.414,6.613 75.751,6.95 v1(76.91,6.95)
QWIIC_I2C.SDA: J12.3 J14.3 U2.17 | length 110.8
  Top Layer w0.15: v1(75.946,6.401) 75.973,6.374 75.973,5.077 J12.3@76,5.05 ; v1(84.988,6.477) 84.994,6.471 84.994,5.056 J14.3@85,5.05
  Top Layer w0.152: U2.17@21.649,45.522 21.682,45.489 v1(21.682,44.7) ; v1(43.712,14.647) 44.761,13.6 44.761,12.401 v1(44.755,12.395)
  Bottom Layer w0.15: 79.477,6.198 82.184,6.198 82.463,6.477 v1(84.988,6.477)
  Bottom Layer w0.152: v1(21.682,44.7) 21.682,43.642 21.906,43.418 21.906,24.885 26.512,20.278 33.196,20.278 38.827,14.647 v1(43.712,14.647) ; v1(44.755,12.395) 43.631,11.272 43.631,3.943 47.125,0.449 74.718,0.449 77.637,3.367 ; 77.648,3.378 77.648,4.648 75.946,6.35 v1(75.946,6.401) 79.273,6.401 79.477,6.198
SWC: J2.4 R8.1 U2.31 | length 12.3
  Top Layer w0.152: R8.1@12.162,49.1 12.2,49.062 v1(12.2,48.226) ; v1(14.326,51.105) 14.857,50.574 17.726,50.574 17.93,50.37 U2.31@17.93,49.749
  Top Layer w0.254: R8.1@12.162,49.1 12.166,49.104 12.166,51.561 J2.4@12.17,51.565
  Bottom Layer w0.152: v1(12.2,48.226) 12.2,50.1 13.205,51.105 v1(14.326,51.105)
SWD: J2.2 U2.32 | length 5.7
  Top Layer w0.152: J2.2@13.44,51.565 13.44,49.96 13.651,49.749 U2.32@17.422,49.749
VBAT: C1.2 C4.2 J15.7 J15.8 J15.9 J15.10 Q1.5 Q1.6 Q1.7 Q1.8 U1.1 | length 4.8
  Top Layer w0.254: J15.10@5.4,18.5 J15.10@6,18.5 6,15.098 U1.1@5.845,14.943 ; J15.8@6,23.5 J15.8@6.6,23.5
  other v1: 9.169,17.526 10.897,19.05 11.887,19.088 12.687,19.088 10.262,25.238 11.062,25.238 11.9,25.248 12.7,25.248 10.262,26.238 11.062,26.238 11.9,26.248 12.7,26.248
VEXT: D3.1 J3.1 Q2.5 Q2.6 Q2.7 Q2.8 R7.2
pads on no net: J2. J2.6 J2.7 J2.8 J2.9 J9.1 J9.7 J9.8 J9.9 J9.11 J9.12 J12.S1 J12.S2 J14.S1 J14.S2 U3.3 U3.4 U3.5 U3.9 U4.21 U4.25 U4.26
copper on no net: | length 2.7
  Top Layer w0.152: 55.651,8.89 56.191,8.89 56.949,9.649 58.054,9.649
  other v1: 23.089,14.275 24.74,14.275 24.74,15.519 23.063,15.545

## Polygon pours and split planes (outlines as drawn)
GND on Top Layer "GND_L01_P061" (solid, remove dead copper, pour order 61): 34.849,23.9 71.5,23.9 71.5,17.8 71.5,17.6 79.987,17.6 80.029,0.133 34.849,0.058
GND on Top Layer "CC" (solid, remove dead copper, pour order 69): 0,58 32.639,58 32.639,44.755 33.985,44.755 33.985,30.251 15.646,30.251 15.646,27.551 0,27.551
GND on Top Layer "GND_L01_P060" (solid, remove dead copper, pour order 60): 0,16.586 23.8,16.586 23.8,8.2 31.4,8.2 31.4,0 0,0
NetD6_1 on Top Layer "NETD6_1_L01_P053" (solid, remove dead copper, pour order 53): 31.6,4.9 35.103,4.9 35.103,11.151 48.3,11.151 48.3,0 31.6,0
+3.3VI2C on Top Layer "+3.3VI2C_L01_P059" (solid, remove dead copper, pour order 59): 74.349,6.3 83.2,6.3 83.2,7.8 86.5,7.8 86.5,11.6 94.513,11.6 94.513,0.356 74.349,0.356
+VMAIN on Top Layer "+VMAIN_L01_P039" (solid, remove dead copper, pour order 39): 18.125,25.495 15.8,25.495 15.8,40.538 22.715,40.538 22.715,41.39 24.308,41.39 24.308,18.106 28.575,18.106 28.575,8.2 24.1,8.2 24.1,12.878 18.177,12.878
no net on Top Layer "NONET_L01_P004" (solid, remove dead copper, pour order 4): 16.648,18.212 20.879,18.212 20.879,12.904 16.648,12.904
GND on Top Layer "GND_L01_P067" (solid, remove dead copper, pour order 67): 77.4,17.78 86.868,17.78 86.868,3.3 77.597,3.3
+12V on Top Layer "+12V_L01_P058" (solid, remove dead copper, pour order 58): 32.8,45.1 34.3,45.1 34.3,30.3 41.9,30.3 41.9,38 45.5,38 45.5,42.2 57.3,42.2 57.3,58 32.8,58
GND on Top Layer "GND_L01_P057" (solid, remove dead copper, pour order 57): 81.585,42.1 95,42.1 95,36.2 81.585,36.2
GND on Top Layer "GND_L01_P055" (solid, remove dead copper, pour order 55): 74.493,6.152 74.493,3.4 72.393,3.4 72.393,6.152
GND on Top Layer "GND_L01_P054" (solid, remove dead copper, pour order 54): 83.5,6.1 83.5,3.3 81.4,3.3 81.4,6.1
+3.3V on Top Layer "+3.3V_L01_P051" (solid, remove dead copper, pour order 51): 95,21.2 86.8,21.2 86.8,11.8 91.237,11.8 91.237,8.504 95,8.504
NetL2_1 on Top Layer "NETL2_1_L01_P048" (solid, remove dead copper, pour order 48): 73.5,42.1 81.432,42.1 81.432,28 73.5,28
+5V on Top Layer "+5V_L01_P046" (solid, remove dead copper, pour order 46): 65.2,58 65.2,28 73.3,28 73.3,36.6 77.312,36.6 77.272,42.272 95,42.32 95,45.2 73.8,45.2 73.8,58
GND on Top Layer "GND_L01_P045" (solid, remove dead copper, pour order 45): 57.634,58 57.634,41.83 50.5,41.83 50.5,37.9 59.276,37.9 59.276,28 64.9,28 64.9,58
NetL1_1 on Top Layer "NETL1_1_L01_P043" (solid, remove dead copper, pour order 43): 42.2,37.5 45.9,37.5 45.9,41.8 50.1,41.8 50.1,28.2 42.2,28.2
GND on Top Layer "GND_L01_P035" (solid, remove dead copper, pour order 35): 55.8,45.7 42.5,45.7 42.5,47.9 42.4,48 46.7,48 46.7,52.6 51.1,52.6 51.1,48 51.2,48.1 55.8,48.1
NetD10_1 on Top Layer "NETD10_1_L01_P034" (solid, remove dead copper, pour order 34): 74,48.3 87.9,48.3 87.9,44.3 95,44.3 95,58 87.5,58 74,58
GND on Top Layer "GND_L01_P033" (solid, remove dead copper, pour order 33): 74,45.3 87.5,45.3 87.5,48 82.5,48 82.5,52.3 78,52.3 78,48 74,48
NetC53_2 on Top Layer "NETC53_2_L01_P031" (solid, remove dead copper, pour order 31): 86.8,13.1 86.8,16.3 90,16.3 90,13.1 90,11.8 86.1,11.8 83,11.8 83,13.1
NetQ5_1 on Top Layer "NETQ5_1_L01_P030" (solid, remove dead copper, pour order 30): 28.7,15.672 31.496,15.672 31.496,8.204 28.7,8.204
GND on Top Layer "GND_L01_P021" (solid, remove dead copper, pour order 21): 24.359,20.9 34.1,20.9 34.1,15.824 28.6,15.824 28.6,18.3 24.359,18.3
NetQ1_1 on Top Layer "NETQ1_1_L01_P037" (solid, remove dead copper, pour order 37): 13.818,18.186 17.983,18.186 17.983,25.273 15.607,25.273 15.607,27.305 13.818,27.303
GND on Top Layer "GND_L01_P050" (solid, remove dead copper, pour order 50): 85.8,19.2 87.994,19.2 87.994,21.363 94.7,21.363 94.7,24.8 85.8,24.8
NetC45_2 on Top Layer "NETC45_2_L01_P049" (solid, remove dead copper, pour order 49): 77.6,17.8 85.6,17.8 85.6,25 95,25 95,36 81.559,36 81.559,27.7 77.6,27.7
NetC44_2 on Top Layer "NETC44_2_L01_P044" (solid, remove dead copper, pour order 44): 40.6,17.8 48.7,17.8 48.7,24.1 59,24.1 59,37.6 50.501,37.6 50.496,27.9 48.7,27.9 40.6,27.9
VBAT on Top Layer "VBAT_L01_P036" (solid, remove dead copper, pour order 36): 0,27.3 13.564,27.3 13.564,17.653 13.584,16.867 0,16.867
VEXT on Top Layer "VEXT_L01_P007" (solid, remove dead copper, pour order 7): 10.16,7.731 7.925,7.722 7.897,5.359 10.16,5.359 17.577,5.359 17.577,12.693 16.456,12.713 16.456,18.186 10.16,18.186
NetC20_2 on Top Layer "NETC20_2_L01_P032" (solid, remove dead copper, pour order 32): 59.3,27.7 77.4,27.7 77.4,17.8 71.7,17.8 71.7,21.6 59.3,21.6
NetQ7_5 on Top Layer "NETQ7_5_L01_P052" (solid, remove dead copper, pour order 52): 31.6,15.697 34.9,15.697 34.9,5.2 31.6,5.2
+VMAIN on Top Layer "+VMAIN_L01_P056" (solid, remove dead copper, pour order 56): 74.4,17.6 77.4,17.6 77.4,12 77.7,11.7 79.8,11.7 79.8,9.3 74.4,9.3
NetC20_2 on Top Layer "NETC20_2_L01_P041" (solid, remove dead copper, pour order 41): 24.6,30 24.6,21.3 34.429,21.3 34.429,15.912 40.4,15.94 40.4,21.3 40.4,30 27.4,30
GND on Bottom Layer "GND_L04_P068" (solid, remove dead copper, pour order 68): 0,57.912 94.996,57.912 94.996,0 0,0
+3.3V on Bottom Layer "+3.3V_L04_P024" (solid, remove dead copper, pour order 24): 61.138,3.404 69.012,3.404 69.012,7.826 71.272,7.826 71.272,1.067 61.138,1.067
+12V on Bottom Layer "+12V_L04_P064" (solid, remove dead copper, pour order 64): 32.8,45 34.3,45 34.3,30.2 41.9,30.2 41.9,37.9 42.594,37.898 42.597,39.391 45.5,39.395 45.5,42.1 57.3,42.1 57.3,57.5 32.8,57.5
+5V on Bottom Layer "+5V_L04_P040" (solid, remove dead copper, pour order 40): 65.215,58.008 65.215,28.008 73.315,28.008 73.315,36.608 77.327,36.608 77.287,42.281 95.015,42.329 95.015,45.208 73.815,45.208 73.815,58.008
NetD10_1 on Bottom Layer "NETD10_1_L04_P025" (solid, remove dead copper, pour order 25): 74.022,45.491 87.922,45.491 87.922,44.212 95.022,44.212 95.022,57.912 87.522,57.912 74.022,57.912
VEXT on Bottom Layer "VEXT_L04_P063" (solid, remove dead copper, pour order 63): 9.966,4.031 17.966,4.031 17.966,12.231 19.066,12.231 19.066,16.631 9.966,16.631
NetC45_2 on Bottom Layer "NETC45_2_L04_P028" (solid, remove dead copper, pour order 28): 77.596,17.78 85.596,17.78 85.596,24.98 94.996,24.98 94.996,35.98 82.696,35.98 82.696,27.68 77.596,27.68
NetQ1_1 on Bottom Layer "NETQ1_1_L04_P047" (solid, remove dead copper, pour order 47): 13.716,16.8 17.424,16.8 17.424,27.3 13.716,27.3
VBAT on Bottom Layer "VBAT_L04_P062" (solid, remove dead copper, pour order 62): 0.357,27.313 13.564,27.313 13.564,16.8 0.357,16.8
NetC20_2 on Bottom Layer "NETC20_2_L04_P065" (solid, remove dead copper, pour order 65): 71.814,29.9 28,29.9 28,23.9 71.752,23.9
+3.3V on +3.3V "+3.3V_L03_P066" (solid, remove dead copper, pour order 66): 0,0 95,0 95,58 0,58
+VMAIN on +3.3V "+VMAIN_L03_P022" (solid, remove dead copper, pour order 22): 77.749,13.411 77.724,13.437 72.923,13.437 72.923,6.553 71.958,5.588 36.83,5.588 25.059,17.359 22.123,17.359 22.104,11.373 33.477,0 77.724,0
GND on Ground "GND_L02_P023" (solid, remove dead copper, pour order 23): 0,0 95,0 95,58 0,58

## Keep-outs
Bottom Layer:
  lines w0.152: 58.493,8.188 58.493,8.921 58.811,9.239 59.587,9.239 59.771,9.054 59.771,8.037 59.437,7.703 58.978,7.703 58.493,8.188

## Silkscreen, mask and mechanical layers (free items; w line width, h text height)
Top Overlay:
  lines w0.15: 26.086,4.826 27.051,4.826 27.229,5.004 ; 53.543,8.89 53.543,6.756 54.026,6.274 ; 54.762,8.255 54.762,8.738 55.118,9.093 55.118,9.957 ; 56.617,8.763 56.617,8.712 57.125,8.204 ; 57.125,10.566 57.338,10.353 57.349,10.353 ; 57.349,8.915 57.349,8.64 57.658,8.331 59.588,8.331 59.741,8.179
  lines w0.152: 1.448,13.716 2.286,14.554 3.251,14.554 3.607,14.199 3.607,13.691 ; 2.692,10.973 2.845,10.82 4.216,10.82 4.521,11.125 4.547,11.125 ; 4.191,48.92 4.338,49.717 ; 9.398,49.682 9.474,49.759 11.176,49.759 11.303,49.632 ; 12.065,44.018 12.51,44.018 12.51,44.031 12.7,44.221 ; 27.229,47.117 27.229,47.574 ; 27.991,54.204 28.169,54.204 28.372,54 28.372,52.349 28.219,52.197 ; 28.194,49.606 28.27,49.606 29.058,48.819 29.058,48.641 ; 52.781,9.068 53.086,8.763 53.086,6.731 53.95,5.867 53.95,5.182 53.848,5.08 ; 54.153,12.827 54.381,12.827 54.61,12.598 ; 56.337,10.668 56.614,10.393 56.617,8.763 ; 57.349,8.915 57.349,10.353 ; 67.018,6.845 67.335,7.163 67.335,8.433 67.666,8.763 ; 70.358,12.141 72.441,12.294 ; 70.434,13.03 72.238,13.03 ; 70.434,15.697 70.637,15.9 70.637,17.729 ; 70.46,14.376 71.526,15.443 ; 71.425,7.112 71.577,5.918 ; 84.811,15.723 84.811,16.002 85.115,16.307 ; 84.912,13.868 85.293,13.868 ; 88.29,38.557 88.646,38.202 88.646,37.592 ; 88.951,47.574 89.332,47.574 89.586,47.32
  text "+5V" at 57.426,49.095 h1
  text "+12V" at 39.113,46.53 h1
  text "RST" at 1.626,42.189 h0.7
  text "V-" at 4.12,34.488 h1.5 r90
  text "h" at 21.463,34.134 h4
  text "'.ProjectRevision'" at 21.638,32.61 h0.8
  text "SCL" at 7.993,30.421 h0.8
  text "SDA" at 7.968,28.008 h0.8
  text "HEIG-VD/IAI/CRH/YCR/2022" at 94.293,25.189 h0.9 r90
  text "V+" at 3.815,20.747 h1.5 r90
  text "t" at 52.602,20.316 h4
  text "o" at 36.932,11.931 h6.4
  text "+VEXT" at 22.806,11.808 h1
  text "+VBAT" at 40.992,10.004 h1
  text "à" at 71.957,7.526 h1.78
Bottom Overlay:
  drawing of 214 lines, arcs and shapes, not listed
  text "+5V" at 75.67,56.283 h1
  text "+5V" at 83.722,56.283 h1
  text "+12V" at 44.072,56.248 h1
  text "+12V" at 35.716,56.171 h1
  text "+5V" at 66.678,56.182 h1
  text "+12V" at 53.978,56.08 h1
  text "Q" at 59.07,29.169 h5
  text "e" at 90.221,29.102 h6
  text "DJI MAVIC 2" at 15.669,27.962 h1 r270
  text "Club de Robotique" at 58.81,26.958 h2
  text "+VEXT" at 20.196,4.442 h1
  text "+15V" at 50.141,1.552 h1
  text "+15V" at 40.872,1.521 h1
Board Shape:
  lines w0.254: 91,58 cw(c91,54) 95,54 95,4 cw(c91,4) 91,0 4,0 cw(c4,4) 0,4 0,54 cw(c4,54) 4,58 91.355,58

## Text inside footprints (layer, text, board x,y; h text height)
U2: Top 3D Body "*" at 16.838,48.697 h1.27